# KiCad board mega65-r3-expansion-board.kicad.kicad_pcb (continued)
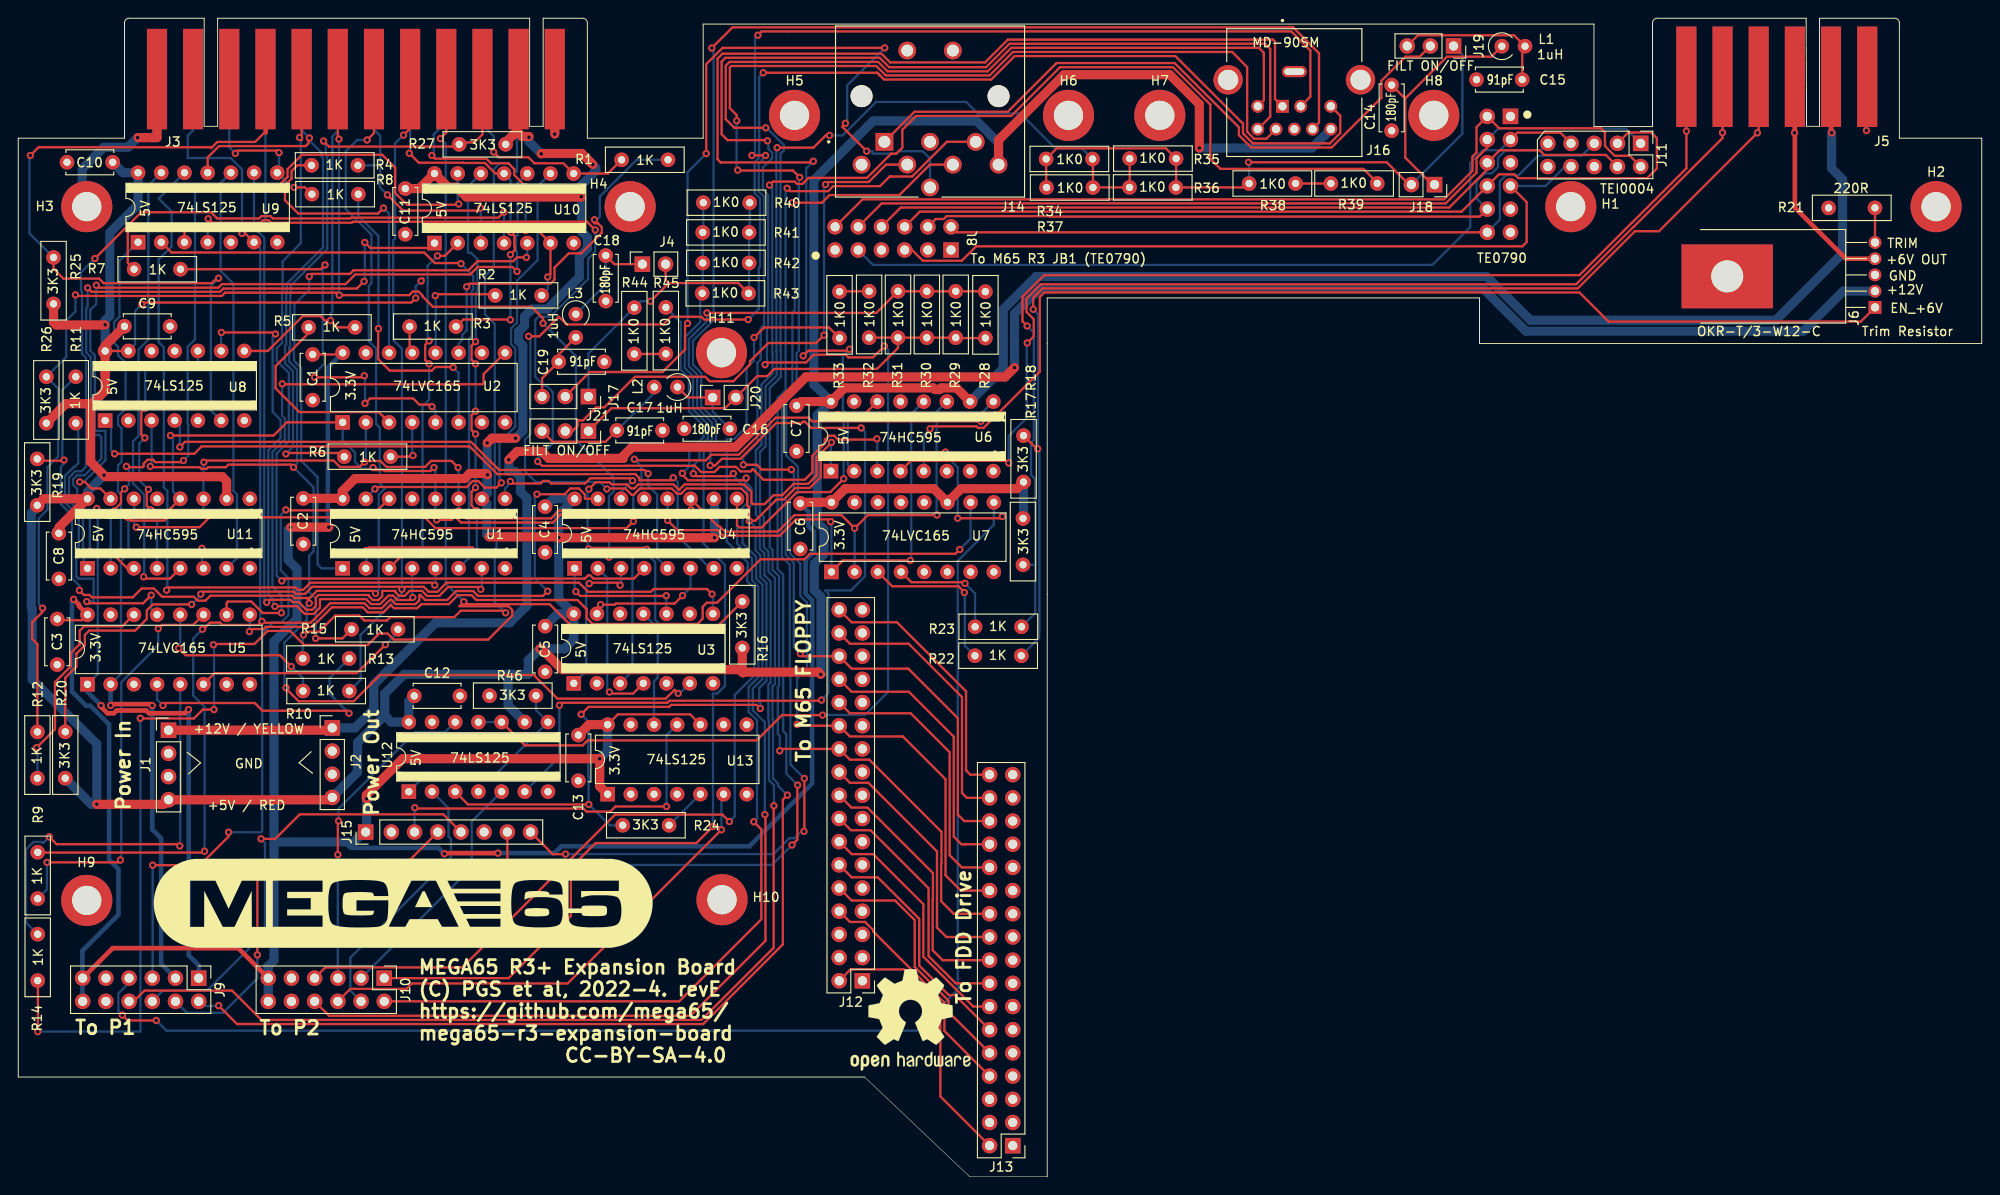
[diagram p0: board, top side]
## Routing (per net, layer and track width the routed paths; a pad name or vN(x,y) marks a point on that pad's centre or on a via; arc(x,y) is an arc through that point) (continued)
/User Port & Tape Port/PA2: length 170.5
  Top w0.25: U4.15 62.09,74.27 62.05,74.32 62.05,74.74 61.39,75.4 60.45,75.4 59.83,74.77 v1(56.8,74.77) ; U9.6 24.86,103.34 v1(24.5,103.34) ; v1(20.4,35.66) 20.25,35.51 2.16,35.51 R9.2 ; v1(20.18,59.98) 20.28,59.98 21,60.7 22.1,60.7 22.35,60.45 26.28,60.45 v1(26.68,60.85) 26.84,60.69 32.02,60.69 34.16,62.83 37.9,62.83 38.45,62.28 39.8,62.28 40.73,63.21 40.85,63.21 41.33,62.73 43.5,62.73 43.92,63.16 43.92,63.73 44.02,63.73 44.57,63.18 46.96,63.18 47.95,64.16 49.81,64.16 50.35,63.63 57.45,63.63 v1(57.97,64.15)
  Bottom w0.25: v1(26.68,60.85) 26.48,61.05 26.48,101.71 U9.6 ; v1(57.97,64.15) 56.55,65.57 56.55,74.52 v1(56.8,74.77) ; J3.M 19.15,114.64 18.55,114.05 18.55,111.6 23.27,111.6 24.5,110.37 v1(24.5,103.34) ; v1(20.18,59.98) 19.16,58.96 19.16,52.72 20.4,51.48 v1(20.4,35.66)
/User Port & Tape Port/PC2: length 98.3
  Top w0.25: U4.4 67.42,65.53 62.99,65.53 62.64,65.88 62.4,65.88 62.04,65.53 29.11,65.53 v1(28.86,65.28) ; J3.8 31.03,113.54
  Bottom w0.25: v1(28.86,65.28) 28.28,65.85 28.28,79.23 29.63,80.57 29.63,88.06 28.3,89.38 28.3,90.76 28.89,91.34 28.89,97 28.95,97.06 28.95,100.29 30.93,102.27 30.93,113.72 v1(30.8,113.85)
/User Port & Tape Port/RESET_N: length 108.1
  Top w0.25: R15.2 35.5,58.98 v1(32.57,58.98) ; v1(33.43,113.46) 34.04,112.85 47.84,112.85 48.29,113.31 49.95,113.31 50.83,114.19 J3.3 ; v1(14.46,77.82) 14.54,77.73 19.85,77.73 20.02,77.56 20.62,77.56 20.8,77.73 22.74,77.73 23.01,78.01 29.85,78.01 v1(30.14,77.72)
  Bottom w0.25: U8.3 14.59,77.96 v1(14.46,77.82) ; v1(33.43,113.46) 33.67,113.22 33.67,111.94 33.83,111.78 33.83,101.63 29.85,97.65 29.85,96.69 29.79,96.63 29.79,90.97 29.66,90.84 29.66,89.3 30.53,88.43 30.53,78.11 v1(30.14,77.72) 32.33,75.53 32.33,73.85 32.33,73.84 32.33,69.78 32.33,69.78 32.33,68.51 31.86,68.03 31.86,64.03 32.59,63.3 32.59,59 v1(32.57,58.98)
/User Port & Tape Port/RESET_N_O: length 79.4
  Top w0.25: v1(71.72,76.57) 71.45,76.3 68,76.3 68,76.56 67.57,76.98 66.97,76.98 66.96,76.97 52.46,76.97 49.43,80.01 20.08,80.01 19.27,79.2 v1(10.55,79.2)
  Bottom w0.25: U8.1 10.17,82.19 10.17,79.59 v1(10.55,79.2) ; v1(71.72,76.57) 71.76,76.57 72.2,76.13 72.2,70.2 75.76,66.65 U4.7
/User Port & Tape Port/SP1: length 157.7
  Top w0.25: R20.2 5.15,54.67 6.37,55.89 6.37,57.36 6.38,57.35 6.42,57.35 7.3,58.23 7.3,59.35 7.78,59.83 12.8,59.83 14.08,61.11 14.08,62.04 14.73,62.7 v1(18.98,62.7) ; v1(19.99,63.83) 20.26,64.1 30.16,64.1 30.42,63.85 31.39,63.85 32.17,64.63 41.73,64.63 v1(42.01,64.36) 42.28,64.63 44.39,64.63 44.94,64.08 45.91,64.08 46.9,65.08 61.4,65.08 62.4,64.08 69.28,64.08 69.58,64.38 75.4,64.38 v1(75.97,63.82) ; J3.5 42.91,114.84 v1(42.19,114.11)
  Bottom w0.25: v1(19.99,63.83) 19.99,63.7 v1(18.98,62.7) ; U3.8 76.07,63.72 v1(75.97,63.82) ; v1(42.19,114.11) 41.26,113.19 41.26,102.79 41.05,102.58 41.05,91.68 42.01,90.72 v1(42.01,64.36) 42.01,63.89 37.49,59.38 37.49,54.44 R10.2
/User Port & Tape Port/SP1_O: length 14.7
  Top w0.25: v1(61.06,64.1) 61.53,63.63 70.93,63.63 v1(70.96,63.66)
  Bottom w0.25: U3.10 70.96,61.7 v1(70.96,63.66) ; U4.1 60.92,64.24 v1(61.06,64.1)
/User Port & Tape Port/SP2: length 175.1
  Top w0.25: v1(57.46,93.5) 57.46,94.04 56.2,95.3 45.4,95.3 44.24,96.46 44.24,96.56 43.82,96.98 43.22,96.98 42.81,96.58 v1(35.15,96.58) 34.87,96.85 22.65,96.85 22.29,96.5 6.38,96.5 v1(6.26,96.61) ; v1(35.12,113.67) 34.99,113.8 J3.7 ; v1(2.65,62.29) 2.65,61.88 1.52,60.74 1.52,58.93 2.1,58.35 R12.2 ; v1(64.69,67.87) 64.98,68.16 v1(67.25,68.16)
  Bottom w0.25: v1(57.46,93.5) 61.07,89.89 61.07,80.7 65.18,76.59 65.18,75.05 64.69,74.55 v1(64.69,67.87) ; v1(35.15,96.58) 35.12,96.61 v1(35.12,113.67) ; v1(2.65,62.29) 2.25,62.69 2.25,72.15 3.2,73.09 3.2,77.73 4.37,78.89 4.37,86.34 R26.2 5.26,89.81 5.26,93.8 6.26,94.81 v1(6.26,96.61) ; v1(67.25,68.16) 67.25,55.39 U3.3
/User Port & Tape Port/SP2_O: length 17.1
  Top w0.25: v1(65.91,64.8) 65.63,65.08 62.62,65.08 v1(62.52,64.98)
  Bottom w0.25: v1(65.91,64.8) 66,64.9 U4.3 ; U3.1 62.19,55.41 62.19,64.65 v1(62.52,64.98)
/User Port & Tape Port/TAPE_MOTOR: length 32.1
  Top w0.5: J5.3 194.54,114.4 v1(194.5,114.36) 194.5,114.54 194.54,114.58 194.54,106.16 200.13,100.57 J6.4
  Bottom w0.5: J5.3 194.54,114.4 v1(194.5,114.36)
/User Port & Tape Port/TAPE_READ: length 141.7
  Top w0.25: v1(111.62,79.74) 111.53,79.74 R18.2 ; v1(111.13,95.04) 111.13,96.29 112.16,97.32 170.77,97.32 177.03,103.59 179.66,103.59 v1(190.44,114.36) 190.58,114.51 J5.4
  Bottom w0.25: R22.2 111.79,59.03 111.79,59.79 111.81,59.81 111.81,79.55 v1(111.62,79.74) 111.65,79.77 111.65,94.52 v1(111.13,95.04) ; J5.4 190.58,114.51 v1(190.44,114.36)
/User Port & Tape Port/TAPE_SENSE: length 133.6
  Top w0.25: v1(182.66,114.54) 182.66,110.47 176.68,104.49 176.66,104.49 170.95,98.77 112.34,98.77 109.96,96.39 109.96,93.72 v1(110.47,93.2) ; 182.66,114.46 J5.6
  Bottom w0.25: 111.35,67.11 111.35,76.43 110.9,76.88 110.9,80.42 111.2,80.72 111.2,92.47 v1(110.47,93.2) ; 111.35,67.11 111.35,61.75 R23.2 ; 111.35,67.11 111.28,67.04 R17.2 ; J5.6 v1(182.66,114.54)
/User Port & Tape Port/TAPE_WRITE: length 128.2
  Top w0.25: U6.4 97.73,78.42 108.21,78.42 v1(108.45,78.19) ; J5.5 186.62,114.39 v1(186.61,114.37) 186.61,113.78 176.87,104.04 176.85,104.04 170.58,97.77 111.98,97.77 110.41,96.2 110.41,94.74 111.2,93.95 111.2,92.06 v1(110.48,91.34)
  Bottom w0.25: v1(110.48,91.34) 110.43,91.29 110.43,83.13 108.45,81.15 v1(108.45,78.19) ; J5.5 186.62,114.39 v1(186.61,114.37)
AUDIO_OUT_L: length 122
  Top w0.25: v1(59.93,35.34) 58.51,35.34 J15.8 ; v1(84.74,106.71) 88,106.71 88.84,107.54 96.48,107.54 99.82,110.88 J14.5 ; v1(86.07,43.64) 86.07,37.89 v1(86.03,37.85)
  Bottom w0.25: v1(59.93,35.34) 82.7,35.34 84.44,37.08 85.01,37.08 85.78,37.85 v1(86.03,37.85) ; v1(84.74,106.71) 85.02,106.43 85.02,94.92 84.77,94.68 84.77,86.3 83.64,85.17 83.64,82.17 83.6,82.12 83.6,67.93 84.47,67.06 84.47,55.85 84.62,55.7 84.56,55.64 84.56,45.15 v1(86.07,43.64)
AUDIO_OUT_R: length 132
  Top w0.25: v1(84.19,108.29) 84.51,107.97 88.68,107.97 89.23,108.52 94.37,108.52 95.44,109.6 95.47,109.58 97.88,109.58 101.68,113.38 J14.3 ; v1(53.99,34.16) 53.55,34.6 J15.7 ; v1(84.73,36.35) 85.31,36.93 85.31,42.86 v1(85.35,42.9)
  Bottom w0.25: v1(85.35,42.9) 84.1,44.15 84.1,48.47 83.76,48.82 83.76,65.96 83.15,66.57 83.15,85.31 84.02,86.18 84.02,108.11 84.19,108.28 84.19,108.28 v1(84.19,108.29) ; v1(53.99,34.16) 82.54,34.16 v1(84.73,36.35)
COMP_CHROMA2: length 135.4
  Top w0.25: v1(81.75,39.67) 81.81,39.61 81.81,25.84 73.6,17.63 34.04,17.63 J10.8 ; v1(72.71,77.06) 72.71,76.92 73.33,76.3 79.66,76.3 79.7,76.35 v1(79.7,76.54)
  Bottom w0.25: v1(81.75,39.67) 81.75,49.78 80.43,51.1 80.43,53.47 81.48,54.52 81.48,64.84 80.8,65.52 80.8,67.92 79.32,69.4 79.32,72.66 80.28,73.62 80.28,75.46 79.45,76.29 v1(79.7,76.54) ; v1(72.71,77.06) 73.47,77.82 73.47,79.44 75.04,81.01 75.04,82.27 73.44,83.87 73.44,87.5 72.53,88.42 72.53,92.13 72.56,92.16 72.56,93.59 R45.2
COMP_CHROMA5: length 134.1
  Top w0.25: v1(73.92,77.02) 74.2,76.75 78.01,76.75 v1(78.3,77.04) ; v1(80.53,38.89) 81.37,38.06 81.37,28.2 72.38,19.22 J10.2
  Bottom w0.25: v1(78.3,77.04) 78.3,76.8 79.83,75.27 79.83,73.81 78.71,72.69 78.71,69.37 80.35,67.73 80.35,65.34 81.03,64.66 81.03,54.71 79.98,53.65 79.98,50.92 80.9,50 80.9,39.25 v1(80.53,38.89) ; v1(73.92,77.02) 73.92,77.93 74.59,78.59 74.59,79.92 75.49,80.83 75.49,82.46 73.89,84.06 73.89,87.69 72.97,88.61 72.97,91.94 74.68,93.65 74.68,96.58 R43.1 74.95,96.84 R42.1 R41.1 75.01,103.51 R40.1
COMP_COMP2: length 242.6
  Top w0.25: v1(82.26,108.64) 82.64,109.02 85.01,109.02 85.27,108.77 85.87,108.77 86.52,109.42 92.93,109.42 95.58,112.08 96.14,112.08 96.8,112.74 96.8,114.7 98.31,116.21 108.74,116.21 114.07,121.55 126.44,121.55 130.53,117.46 130.53,111.51 131.63,110.41 147.29,110.41 148.79,108.91 ; 12.65,19.22 13.82,20.39 23.41,20.39 26.62,17.18 74.81,17.18 82.71,25.08 82.71,40.61 v1(82.74,40.64)
  Bottom w0.25: v1(82.74,40.64) 82.74,42.9 82.2,43.44 82.2,49.96 82.13,50.03 82.13,53.9 82.38,54.15 82.38,65.21 81.7,65.89 81.7,68.29 81.19,68.8 81.19,72.1 80.76,72.53 80.76,79.57 81.38,80.19 81.38,86.78 82.59,87.99 82.59,90.2 82.56,90.22 82.56,108.33 v1(82.26,108.64)
COMP_COMP5: length 207.9
  Top w0.25: R34.1 117.67,111.45 R37.1 117.68,108.38 R36.1 121.7,108.4 R35.1 ; v1(84.22,41.81) 83.72,41.31 83.72,25.45 75,16.73 23.95,16.73 v1(21.94,18.75) ; v1(88.83,114.08) 88.42,114.08 87.07,112.73 v1(83.1,112.73)
  Bottom w0.25: R34.1 116.5,112.62 113.59,112.62 109.73,116.49 105.06,116.49 103.8,117.75 93.95,117.75 90.27,114.08 v1(88.83,114.08) ; v1(83.1,112.73) 83.01,112.65 83.01,109.68 83.01,109.68 83.01,90.41 83.04,90.38 83.04,87.8 81.83,86.59 81.83,80.01 81.21,79.39 81.21,72.71 81.64,72.28 81.64,68.98 82.15,68.48 82.15,66.28 82.41,66.02 82.43,66.02 82.86,65.59 82.86,53.99 82.58,53.72 82.58,50.22 82.65,50.15 82.65,43.63 83.19,43.09 83.19,42.83 v1(84.22,41.81) ; v1(21.94,18.75) 21.9,18.71 20.27,18.71 J9.2
COMP_LUMA2: length 120.6
  Top w0.25: R33.2 88.77,93.04 81.67,93.04 v1(80.57,91.94) ; J10.7 33.63,22.93 48.62,22.93 65.36,39.67 77.11,39.67 v1(77.87,38.91)
  Bottom w0.25: v1(77.87,38.91) 78.45,39.5 78.45,52.76 80.58,54.89 80.58,64.47 79.83,65.22 79.83,66.71 79.89,66.77 79.89,67.27 77.58,69.58 77.58,80.82 78.38,80.82 79.75,82.18 79.75,88.6 80.57,89.43 v1(80.57,91.94)
COMP_LUMA5: length 137.8
  Top w0.25: R28.1 105.86,97 R29.1 R30.1 R31.1 93.96,94.63 v1(75.41,94.63) ; J10.1 53.7,21.76 60.51,28.57 60.51,33.86 63.2,36.55 74.24,36.55 v1(76.06,38.37)
  Bottom w0.25: v1(76.06,38.37) 76.06,52.93 76.53,52.93 77.38,53.78 77.38,67.02 76.63,67.78 76.62,67.78 75.04,69.36 75.04,79.73 75.94,80.64 75.94,82.64 74.34,84.24 74.34,87.88 73.42,88.79 73.42,91.76 75.41,93.74 v1(75.41,94.63)
EXP_CLOCK: length 186
  Top w0.25: v1(73.67,73.06) 73.58,72.97 59.2,72.97 58.34,72.12 49.06,72.12 v1(48.24,72.94) ; U4.11 76.61,71.28 76.77,71.28 77.37,70.68 83.19,70.68 84.99,72.48 90.15,72.48 v1(91.58,71.04) 93.02,72.48 100.58,72.48 v1(100.6,72.5) ; v1(20.32,78.28) 20.5,78.46 34.53,78.46 35.23,77.76 37.38,77.76 v1(37.92,78.29) 38.03,78.41 39.66,78.41 40.31,77.76 41.24,77.76 41.24,77.76 44.56,77.76 45.22,78.42 47.44,78.42 v1(48.17,77.69) ; v1(20.22,72.54) 20.14,72.46 16.57,72.46 15.98,71.88 12.34,71.88 v1(11.97,72.25)
  Top w0.5: v1(14.67,51.63) 14.52,51.78 10.27,51.78 v1(10.12,51.63)
  Bottom w0.25: v1(20.32,78.28) 20.28,78.24 U11.11 20.28,72.61 v1(20.22,72.54) ; v1(11.97,72.25) 12.07,72.15 12.07,68.27 11.24,67.45 11.24,55.08 U5.2 ; v1(91.58,71.04) U7.2 ; U6.11 100.56,83.8 100.56,72.76 100.26,72.46 100.56,72.46 v1(100.6,72.5) ; U2.2 38.06,78.44 v1(37.92,78.29) ; U4.11 73.62,73.11 v1(73.67,73.06) ; v1(48.17,77.69) 48.22,77.64 U1.11 48.22,72.96 v1(48.24,72.94)
  Bottom w0.5: v1(14.67,51.63) 14.67,38.05 15.64,37.08 15.64,23.34 J9.3 ; U5.2 10.12,53.95 v1(10.12,51.63)
EXP_LATCH: length 202.1
  Top w0.25: v1(8.6,73.21) 9.6,72.21 10.82,72.21 11.59,72.97 13.57,72.97 14.21,72.33 15.8,72.33 U11.12 ; v1(16.66,81.2) 27.97,81.2 29.41,82.65 U2.1 ; v1(38.85,77.69) 39.12,77.42 40.01,77.42 40.12,77.31 41.43,77.31 41.43,77.31 45.13,77.31 v1(45.52,77.69) ; U7.1 90.3,67.52 v1(97.68,67.52) ; v1(45.82,71.95) 47.43,71.95 47.82,72.34 48.48,71.67 58.53,71.67 59.38,72.52 70.48,72.52 v1(71.1,71.91) 72.17,70.83 76.58,70.83 77.19,70.23 83.38,70.23 85.16,72.01 89.13,72.01 88.96,71.84 v1(88.96,71.76)
  Top w0.5: v1(18.64,51.18) 18.24,50.78 14.31,50.78 14.01,51.08 10.77,51.08 10.47,50.78 9.76,50.78 9.06,51.48 v1(9.06,51.63)
  Bottom w0.25: v1(71.1,71.91) 71.1,74.26 U4.12 ; U11.12 16.94,75.07 16.94,80.92 v1(16.66,81.2) ; U7.1 89.04,71.67 v1(88.96,71.76) ; v1(45.82,71.95) 45.68,72.09 U1.12 45.68,77.53 v1(45.52,77.69) ; v1(38.85,77.69) 38.74,77.57 37.62,77.57 36.88,78.31 36.88,79.32 35.52,80.68 U2.1 ; v1(97.68,67.52) 97.79,67.63 97.79,83.56 U6.12 ; v1(8.6,73.21) 8.7,73.1 8.7,55.08 U5.1
  Bottom w0.5: v1(9.06,51.63) 7.58,53.11 U5.1 ; v1(18.64,51.18) 18.67,51.15 18.67,24.26 19.76,23.17 J9.1
EXP_RDATA: length 154
  Top w0.25: v1(11.4,17.71) 11.98,17.12 v1(15.1,17.12)
  Bottom w0.25: v1(15.1,17.12) 16.22,16 98.37,16 102.87,20.5 102.87,67.47 106.82,71.42 U7.9 ; 12.65,21.76 10.96,20.07 10.96,18.14 v1(11.4,17.71)
EXP_WDATA: length 75
  Top w0.25: U1.14 39.33,73 29.36,73 v1(29.31,73.05) ; v1(23.03,37.74) 23.03,37.27 19.89,34.13 v1(14.72,34.13)
  Bottom w0.25: v1(23.03,37.74) 26.58,37.74 26.71,37.87 26.71,59.54 27.96,60.78 28.84,60.78 29.58,61.52 29.58,65.59 28.73,66.43 28.73,72.48 v1(29.31,73.05) ; v1(14.72,34.13) 14.72,22.23
FL_RDATA: length 179.7
  Top w0.25: v1(85.64,57.3) 85.91,57.03 J12.30 91.26,55.66 97.45,55.66 102.89,50.23 102.89,39.67 103.59,38.97 J13.30 ; v1(84.65,77.47) 81.4,77.47 80.87,77.99 v1(79.39,77.99) ; J16.2 141.49,118.33 141.49,123.38 139.4,125.47 81.4,125.47 v1(80.99,125.06) ; v1(80.33,111.89) 81.83,111.89 v1(81.84,111.88)
  Bottom w0.25: v1(81.84,111.88) 81.51,111.55 81.51,111.4 81.09,110.98 81.09,107.94 81.66,107.36 81.66,93.33 81.29,92.96 81.29,89.51 80.93,89.15 80.93,80.38 79.39,78.84 v1(79.39,77.99) ; v1(80.33,111.89) 80.68,112.24 80.68,124.75 v1(80.99,125.06) ; v1(84.65,77.47) 84.92,77.19 84.92,75.3 84.05,74.42 84.05,68.12 84.92,67.24 84.92,58.02 v1(85.64,57.3)
FL_WDATA: length 183.2
  Top w0.25: v1(83.38,46.66) 83.59,46.87 J12.22 91.06,45.69 93.18,45.69 101.09,37.79 101.09,34.31 101.05,34.27 101.05,30.18 102.43,28.81 J13.22 ; 136.39,122.81 136.39,122.99 ; 136.39,122.81 136.39,117.93 J16.3 ; 136.39,122.81 136.39,123.13 135.85,123.67 108.73,123.67 106.16,121.1 95.18,121.1 94.15,122.13 77.89,122.13 77.47,121.71 77.47,115.86 78.41,114.91 v1(81.85,114.91)
  Bottom w0.25: v1(81.85,114.91) 81.95,114.91 83.82,113.03 83.82,112.43 83.46,112.07 83.46,90.6 83.49,90.57 83.49,87.61 82.28,86.4 82.28,68.98 82.6,68.66 82.6,66.48 83.31,65.77 83.31,53.8 83.18,53.67 83.18,48.5 83.38,48.3 v1(83.38,46.66)
FL_WGATE: length 186.2
  Top w0.25: v1(85.57,109.49) 84.82,110.23 78.83,110.23 v1(78.78,110.28) ; J13.24 103.21,31.35 101.54,33.02 101.54,43.55 96.86,48.23 91.06,48.23 J12.24 85.42,49.41 v1(85.28,49.55) ; J16.4 136.68,113.72 135.32,113.72 134.56,114.48 134.56,121.56 133.65,122.48 133.65,122.5 132.93,123.22 108.92,123.22 106.35,120.65 94.99,120.65 93.96,121.68 78.08,121.68 77.92,121.52 77.92,117.05 78.67,116.3 v1(78.67,115.68)
  Bottom w0.25: v1(78.78,110.28) 78.66,110.4 78.66,115.67 v1(78.67,115.68) ; v1(85.28,49.55) 85.28,54.61 86.36,55.69 86.36,62.9 85.64,63.62 85.64,67.16 84.5,68.3 84.5,74.24 85.16,74.89 85.37,74.89 85.37,77.77 84.8,78.34 84.75,78.34 84.09,79.01 84.09,81.89 84.09,81.89 84.09,84.98 85.22,86.11 85.22,90.23 85.47,90.47 85.47,109.39 v1(85.57,109.49)
IEC_ATN: length 81.7
  Top w0.25: v1(21.94,98.43) 21.72,98.43 21.18,97.89 9.35,97.89 8.85,98.39 4.94,98.39 3.87,99.46 R25.2 ; v1(1.33,111.88) 2.23,112.78 21.05,112.78 21.13,112.69 21.8,113.36 25.93,113.36 26.98,114.41 27.1,114.41
  Top w0.5: 27.1,114.41 27.1,120.23 J3.9
  Bottom w0.25: U8.6 21.09,83.97 21.09,97.59 v1(21.94,98.43) ; v1(1.33,111.88) 1.22,111.77 1.22,103.35 R25.2
UART_RX: length 44.9
  Top w0.25: v1(26.18,24.31) 26.18,34.42 42.59,34.42 J15.4
  Bottom w0.25: J9.4 18.48,17.96 22.42,17.96 26.18,21.71 v1(26.18,24.31)
UART_TX: length 49.7
  Top w0.25: v1(26.59,37.02) 28.14,37.02 30.83,39.7 46.54,39.7 J15.5
  Bottom w0.25: v1(26.59,37.02) 27.02,36.59 27.02,26.75 20.66,20.39 15.85,20.39 J9.6
WIFI_EN_3V3: length 40.2
  Top w0.25: v1(70.98,40.56) 65.4,40.56 64.84,40 62.23,40 61.9,40.33 43.52,40.33 v1(43.42,40.42) ; 43.32,37.69 J15.3
  Bottom w0.25: U13.11 70.98,48.36 v1(70.98,40.56) ; v1(43.42,40.42) 43.39,40.39 J15.3
WIFI_EN_5V: length 69.5
  Top w0.25: v1(68.82,68.73) 68.67,68.89 62.56,68.89 v1(62.45,68.78) ; v1(62.48,75.33) 63.22,76.07 64.76,76.07 64.98,75.85 66.65,75.85 67.09,75.41 67.45,75.41 67.89,75.85 71.73,75.85 72.3,75.28 72.4,75.28 72.97,75.85 79.47,75.85 80.28,75.04 80.28,73.89 80.48,73.69 81.73,73.69 82.7,74.66 83.65,74.66 84.9,75.91 86.49,75.91 87.41,76.83 87.41,78.78 89.04,80.42 v1(89.04,80.46)
  Bottom w0.25: v1(62.48,75.33) 62.34,75.18 62.34,68.9 v1(62.45,68.78) ; U13.12 69.61,54.27 70.02,54.68 70.02,60.74 69.74,61.02 69.74,67.36 68.82,68.27 v1(68.82,68.73) ; v1(89.04,80.46) 88.98,80.4 U6.1
Net-(J4-Pin_1): length 12.2
  Top w0.25: C18.1 65.28,99.97 J4.1
  Bottom w0.25: C18.1 64.33,97.77 L3.1
Net-(J6-Pin_5): length 3.8
  Top w0.25: R21.1 203.31,102.35 J6.5
Net-(J18-Pin_1): length 25.9
  Top w0.25: 154.94,108.59 151.88,111.65 151.88,118.14 ; C14.1 151.7,118.28 151.88,118.28 151.88,118.14 ; 151.88,118.14 156.44,122.7 161.3,122.7 L1.1
Net-(J20-Pin_1): length 8.5
  Top w0.25: L2.1 73.33,85.37 J20.1
  Bottom w0.25: C16.1 76.03,83.83 J20.1
Net-(R24-Pad2): length 4.8
  Bottom w0.25: U13.5 74.67,41.91 R24.2
Net-(R32-Pad1): length 3.3
  Top w0.25: R33.1 89.97,97 R32.1
Net-(R38-Pad1): length 3.9
  Top w0.25: 143.71,108.91 143.61,108.81 R38.1
Net-(R44-Pad1): length 3.5
  Top w0.25: R45.1 70.89,90.13 R44.1
Net-(R46-Pad2): length 21.8
  Bottom w0.25: U12.1 44.82,44.25 52.44,44.25 U12.8 56.69,51.12 R46.2
Net-(U1-QH'): length 18.7
  Top w0.25: v1(67.27,76.26) 67,76.52 62.65,76.52 62.08,75.95 58.34,75.95 58.07,76.22 57.47,76.22 57.19,75.95 54.11,75.95 v1(53.88,76.18)
  Bottom w0.25: U4.14 66,74.99 v1(67.27,76.26) ; v1(53.88,76.18) 53.62,75.92 53.62,75.72 53.3,75.4 U1.9
Net-(U2-D0): length 39.7
  Top w0.25: v1(49.1,97.5) 49.44,97.84 58.27,97.84 58.72,98.29 58.72,99.6 60.28,101.16 61.64,101.16 63.9,103.42 63.9,104.02 63.48,104.44 63.09,104.44 v1(63.09,104.83)
  Bottom w0.25: v1(49.1,97.5) 49.1,92.71 48.62,92.24 48.62,91.67 48.22,91.27 U2.11 ; R1.1 67.72,111.41 63.68,107.37 63.68,105.18 63.34,104.83 v1(63.09,104.83)
Net-(U2-D1): length 13
  Top w0.25: v1(45.66,96.52) 45.82,96.68 52.09,96.68 R2.1
  Bottom w0.25: U2.12 45.71,90.3 45.71,96.47 v1(45.66,96.52)
Net-(U2-D2): length 3
  Top w0.25: R3.1 42.85,90.55 U2.13
Net-(U2-D3): length 33.7
  Top w0.25: v1(39.99,106.12) 39.39,105.52 30.66,105.52 29.2,106.98 29.2,108.61 29.93,109.34 29.93,110.19 30.55,110.8 R4.1
  Bottom w0.25: v1(39.99,106.12) 40.6,105.51 U2.14
Net-(U2-D4): length 22.1
  Top w0.25: R5.1 31.8,92.43 28.18,88.81 28.18,86.37 30.78,83.77 39.48,83.77 U2.3
Net-(U2-D5): length 6.2
  Top w0.25: R6.1 43.09,78.88 v1(43.22,79.01)
  Bottom w0.25: v1(43.22,79.01) 43.14,79.09 U2.4
Net-(U2-D6): length 47.4
  Top w0.25: R7.1 33.12,99.42 v1(33.59,99.89) ; v1(37.97,84.72) 38.52,85.27 43.24,85.27 43.91,84.59 45.08,84.59 v1(45.31,84.36) ; v1(32.45,87.58) 37.72,87.58 v1(37.89,87.75)
  Bottom w0.25: v1(45.31,84.36) 45.68,83.99 U2.5 ; v1(37.89,87.75) 37.97,87.67 v1(37.97,84.72) ; v1(32.45,87.58) 32.45,88.01 33.55,89.11 33.55,90.24 33.34,90.45 33.34,99.64 v1(33.59,99.89)
Net-(U2-D7): length 34.2
  Top w0.25: v1(39.44,92.91) 39.41,92.88 39.41,89.58 40.67,88.31 45.28,88.31 45.68,88.71 47.57,88.71 v1(47.62,88.66)
  Bottom w0.25: U2.6 48.22,88.06 v1(47.62,88.66) ; R8.1 37.23,105.26 39.44,103.06 v1(39.44,92.91)
Net-(U2-Q7): length 60.5
  Top w0.25: U5.10 22.82,62.87 22.97,63.01 25.51,63.01 26.77,61.76 28.79,61.76 v1(28.81,61.78) ; v1(28.9,86.86) 28.95,86.81 50.84,86.81 50.95,86.93 50.95,87.92 U2.9
  Bottom w0.25: v1(28.9,86.86) 28.89,86.85 28.89,83.38 29.18,83.09 29.18,80.76 27.83,79.41 27.83,64.66 28.83,63.66 28.83,61.79 v1(28.81,61.78)
Net-(U4-QH'): length 29.1
  Top w0.25: v1(90.38,76.47) 88.92,75 85.27,75 81.39,71.13 78.95,71.13 78.7,71.38 U4.9 ; U6.14 92.63,83.48 v1(89.75,83.48)
  Bottom w0.25: v1(89.75,83.48) 90.38,82.86 v1(90.38,76.47)
Net-(U5-D0): length 45.2
  Top w0.25: v1(11.19,34.7) 10.93,34.44 v1(3.14,34.44) ; U5.11 19.16,60.45 15.73,60.45 v1(15.33,60.04)
  Bottom w0.25: R9.1 3.14,31.48 v1(3.14,34.44) ; v1(11.19,34.7) 11.28,34.79 11.28,54.16 15.33,58.21 v1(15.33,60.04)
Net-(U5-D1): length 20.1
  Top w0.25: v1(17.57,57.89) 18.33,57.13 28.66,57.13 v1(29.89,55.9)
  Bottom w0.25: v1(17.57,57.89) 17.74,58.07 U5.12 ; v1(29.89,55.9) 31.17,54.61 R10.1
Net-(U5-D2): length 33.5
  Top w0.25: v1(14.56,63.71) 13.67,62.82 7.69,62.82 v1(7.51,63)
  Bottom w0.25: U5.13 14.56,62.22 v1(14.56,63.71) ; v1(7.51,63) 8.26,63 8.26,65.49 8.23,65.52 6.55,65.52 6.52,65.55 6.52,65.6 6.35,65.78 6.35,68.8 6.64,69.09 6.64,72.36 5.11,73.88 5.11,76.79 6.06,77.74 6.13,77.74 6.58,78.18 6.58,82.28 R11.1
Net-(U5-D3): length 25.2
  Top w0.25: 6.73,58.3 6.73,59.82 7.22,60.3 11.39,60.3 U5.14 ; 6.73,58.3 6.67,58.3 5.76,57.38 5.76,55.91 4.02,54.18 4.02,49.02 v1(2.02,47.01) ; 6.73,58.3 6.73,58.59 6.75,58.57
  Bottom w0.25: R12.1 2.1,46.93 v1(2.02,47.01)
Net-(U5-D5): length 34.1
  Top w0.25: v1(15.84,51.63) 16.12,51.9 25.89,51.9 26.73,51.05 35.94,51.05 v1(36.22,50.78)
  Bottom w0.25: 34.22,52.77 v1(36.22,50.78) 34.09,52.9 34.09,54.63 R13.1 ; v1(15.84,51.63) 15.2,52.27 U5.4
Net-(U5-D6): length 45.6
  Top w0.25: v1(17.69,36.24) 17.49,36.43 4.2,36.43 v1(3.4,37.24)
  Bottom w0.25: U5.5 17.74,36.18 v1(17.69,36.24) ; v1(3.4,37.24) 2.71,36.55 2.59,36.67 1.66,36.67 0.86,35.86 0.86,27.84 R14.1
Net-(U5-D7): length 24
  Top w0.25: U5.6 21.5,55.17 37.08,55.17 v1(40.2,58.29)
  Bottom w0.25: v1(40.2,58.29) 41.58,59.67 R15.1
Net-(U5-Q7): length 93.8
  Top w0.25: v1(103.09,68.71) 102.62,68.24 86.69,68.24 86.09,67.65 81.28,67.65 76.52,62.88 75.39,62.88 74.94,62.43 74.94,61.21 74.98,61.17 74.36,60.55 62.9,60.55 62.24,61.21 62.24,62.17 61.23,63.18 50.16,63.18 49.63,63.71 48.13,63.71 47.15,62.73 44.13,62.73 43.68,62.28 41.15,62.28 40.79,62.64 39.98,61.83 38.27,61.83 37.72,62.38 34.34,62.38 32.2,60.24 27.1,60.24 26.86,60 25.58,60 v1(25.31,59.72)
  Bottom w0.25: v1(103.09,68.71) 104.28,69.9 U7.10 ; U5.9 25.36,59.78 v1(25.31,59.72)
Net-(U7-D4): length 17.5
  Top w0.25: U7.3 95.7,64.69 102.96,64.69 103.36,64.28
  Bottom w0.25: R22.1 103.65,58.19 103.65,63.95 v1(103.59,64.01)
Net-(U7-D5): length 12.9
  Top w0.25: 103.87,65.14 97.79,65.14 U7.4
  Bottom w0.25: R23.1 104.77,63.89 v1(103.66,65.01)
Net-(U11-SER): length 109.4
  Top w0.25: v1(67.45,78.61) 67.45,78.49 75.3,78.49 75.91,79.1 78.89,79.1 82.95,83.16 86.52,83.16 86.92,82.76 v1(105.4,82.76) ; v1(12.92,71.16) 19.85,71.16 20.93,72.24 44.51,72.24 45.69,71.05 66.6,71.05 v1(67.35,71.8)
  Bottom w0.25: v1(12.92,71.16) 12.69,71.39 12.69,74.24 U11.14 ; v1(67.35,71.8) 67.35,74.67 67.99,75.31 68.09,75.31 68.24,75.46 68.24,77.82 v1(67.45,78.61) ; v1(105.4,82.76) 105.4,83.56 U6.9
unconnected-(U6-QG-Pad6): length 0.2
  Bottom w0.25: 101.52,77.47 U6.6

## Copper pours and planes (outline as drawn; the poured copper is in the pictures)
GND on GND1.Cu, GND2.Cu: 172.28,114.82 179.19,114.9 179.21,115.26 205.25,115.26 205.25,113.29 214.54,113.21 214.37,91.68 160.47,92.01 160.47,96.61 111.82,96.83 111.94,0.42 104.34,0.49 92.93,11.35 0.25,11.24 0.21,113.42 12.01,113.29 12.01,115.01 62.05,114.77 62.05,113.45 75.36,113.37 75.52,125.94 172.3,126.02

## Text on the board
F.Silkscreen: FILT ON/OFF | To M65 R3 JB1 (TE0790) | TE0790 | TEI0004 | TRIM | GND | +12V | Trim Resistor | +6V OUT | EN_+6V | MEGA65 R3+ Expansion Board / (C) PGS et al, 2022-4. revE / https://github.com/mega65/ / mega65-r3-expansion-board / CC-BY-SA-4.0 | To P1 | To P2 | Power In | Power Out | To M65 FLOPPY | To FDD Drive
